# Altium PCB FES_V2.5.PcbDoc (part 1 of 2) (continued)
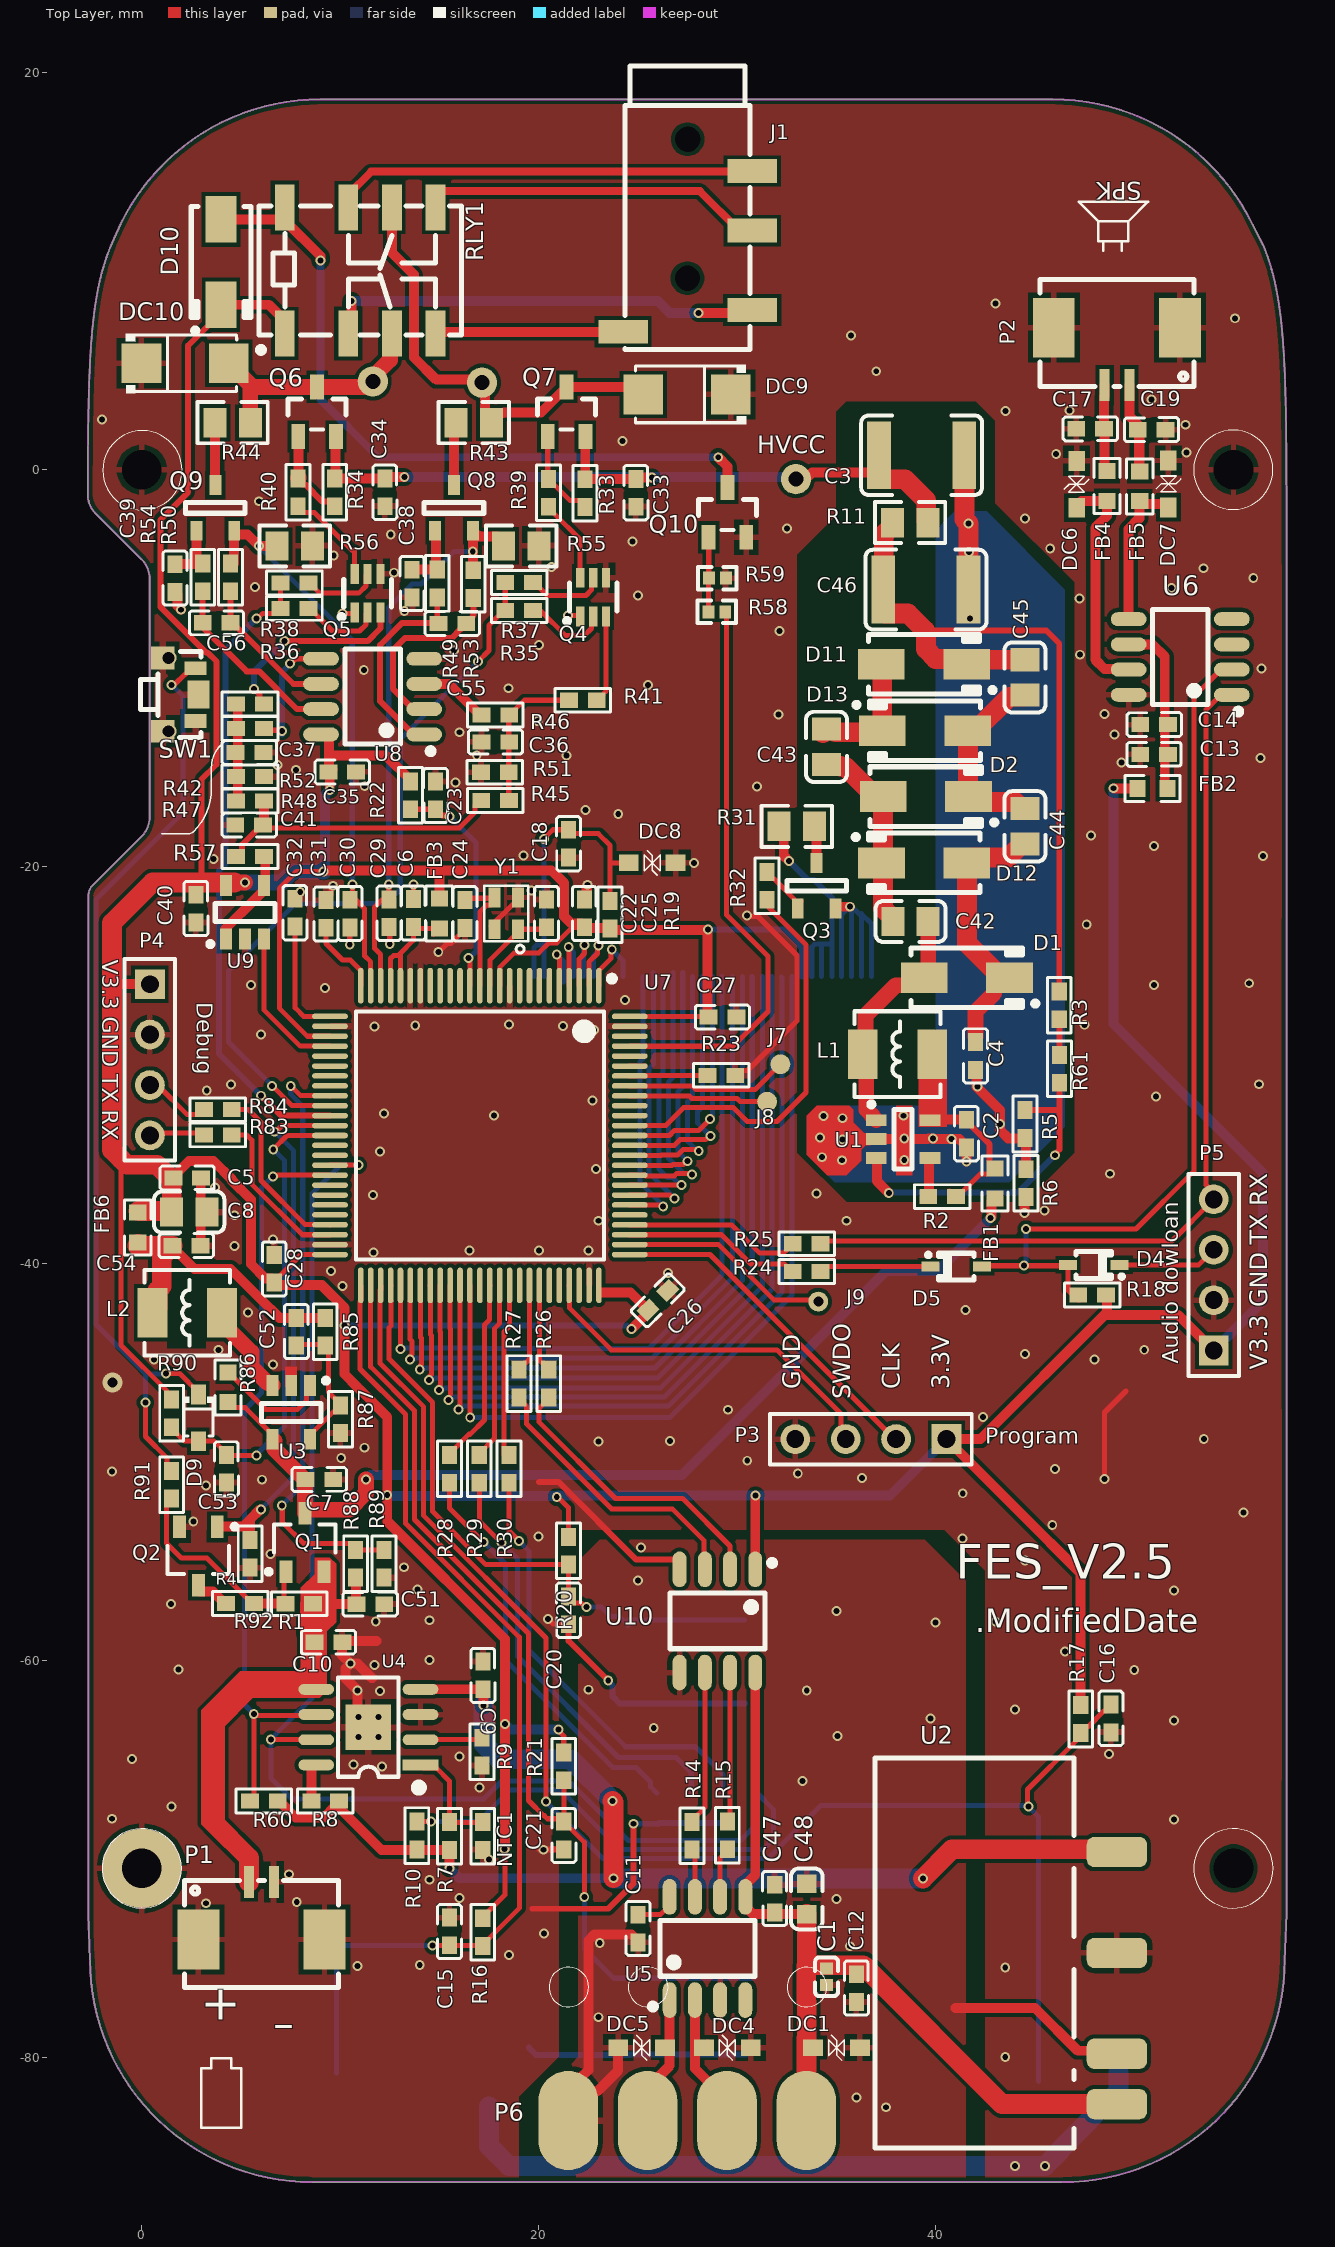
[diagram p0: Top Layer view]
## Footprints (in the part's own frame and the unit in brackets; to place one, negate y for a bottom-side part, rotate by r counter-clockwise, add the part's x,y. Pads: shape width x height; smd on the part's side, far side on the other; paste and mask are expansions set on the pad) (continued)
  rect 55.1x43.3 smd mask+2: 3(0.45,-53.35)
  silkscreen extent -85,-58 85,62, body extent -77,-57 77,63, height 62
L-SMD-0420 [mm] "一体化成型电感"
  rect 1.5x2.5 smd: 1(-1.75,0) 2(1.75,0)
  silkscreen extent -2.16,-2.16 2.16,2.16, body extent -2.25,-2.05 2.25,2.05, height 2.05
LQFP-100_14x14x05P [mm]
  oval 0.28x1.8 smd mask+0.051: 1(-6,-7.55) 2(-5.5,-7.55) 3(-5,-7.55) 4(-4.5,-7.55) 5(-4,-7.55) 6(-3.5,-7.55) 7(-3,-7.55) 8(-2.5,-7.55) 9(-2,-7.55) 10(-1.5,-7.55) 11(-1,-7.55) 12(-0.5,-7.55) 13(0,-7.55) 14(0.5,-7.55) 15(1,-7.55) 16(1.5,-7.55) 17(2,-7.55) 18(2.5,-7.55) 19(3,-7.55) 20(3.5,-7.55) 21(4,-7.55) 22(4.5,-7.55) 23(5,-7.55) 24(5.5,-7.55) 25(6,-7.55) 51(6,7.55) 52(5.5,7.55) 53(5,7.55) 54(4.5,7.55) 55(4,7.55) 56(3.5,7.55) 57(3,7.55) 58(2.5,7.55) 59(2,7.55) 60(1.5,7.55) 61(1,7.55) 62(0.5,7.55) 63(0,7.55) 64(-0.5,7.55) 65(-1,7.55) 66(-1.5,7.55) 67(-2,7.55) 68(-2.5,7.55) 69(-3,7.55) 70(-3.5,7.55) 71(-4,7.55) 72(-4.5,7.55) 73(-5,7.55) 74(-5.5,7.55) 75(-6,7.55)
  oval 1.8x0.28 smd mask+0.051: 26(7.55,-6) 27(7.55,-5.5) 28(7.55,-5) 29(7.55,-4.5) 30(7.55,-4) 31(7.55,-3.5) 32(7.55,-3) 33(7.55,-2.5) 34(7.55,-2) 35(7.55,-1.5) 36(7.55,-1) 37(7.55,-0.5) 38(7.55,0) 39(7.55,0.5) 40(7.55,1) 41(7.55,1.5) 42(7.55,2) 43(7.55,2.5) 44(7.55,3) 45(7.55,3.5) 46(7.55,4) 47(7.55,4.5) 48(7.55,5) 49(7.55,5.5) 50(7.55,6) 76(-7.55,6) 77(-7.55,5.5) 78(-7.55,5) 79(-7.55,4.5) 80(-7.55,4) 81(-7.55,3.5) 82(-7.55,3) 83(-7.55,2.5) 84(-7.55,2) 85(-7.55,1.5) 86(-7.55,1) 87(-7.55,0.5) 88(-7.55,0) 89(-7.55,-0.5) 90(-7.55,-1) 91(-7.55,-1.5) 92(-7.55,-2) 93(-7.55,-2.5) 94(-7.55,-3) 95(-7.55,-3.5) 96(-7.55,-4) 97(-7.55,-4.5) 98(-7.55,-5) 99(-7.55,-5.5) 100(-7.55,-6)
  silkscreen extent -6.8,-8.05 6.25,6.25, body extent -8,-8 8,8, height 1.6
PWRM-TH_BXXXXS_SMD [mil]
  rrect50% 60x120 smd mask+2: 1(-250,-50) 2(-150,-50) 4(50,-50) 6(250,-50)
  silkscreen extent -337,36 437,430, body extent -337,-126 437,435, height 239
R0603 [mm]
  rect 0.806x0.864 smd: 1(0,0) 2(1.506,0)
  silkscreen extent -0.63,-0.66 2.14,0.66
SMA#1 [mm] "DO-214AC"
  rect 2.35x1.55 smd: 1(-2.15,0) 2(2.15,0)
  silkscreen extent -2.8,-1.5 3.58,1.5, body extent -2.6,-1.3 2.6,1.3, height 2.64
SMA#2 [mm]
  rect 2x2 smd: 1(1.736,0.206) 2(-2.664,0.206)
  silkscreen extent -3.44,-1.3 2.14,1.71
SMD_2016 [mm]
  rect 1x0.6 smd: 1(-0.8,-0.6) 2(0.8,-0.6) 3(0.8,0.6) 4(-0.8,0.6)
  silkscreen extent -2,-1.1 1.4,1.1
SOD323 [mm]
  rect 1x0.83 smd: 1(1.18,0) 2(-1.18,0)
  silkscreen extent -0.4,-0.62 0.4,0.62, body extent -1.35,-0.62 1.35,0.63, height 1.1
SOD-323#1 [mm] "SOD-323"
  rect 0.9x0.5 smd: 1(-1.3,0) 2(1.3,0)
  silkscreen extent -0.9,-0.67 1.49,0.67, body extent -1.35,-0.62 1.35,0.63, height 1.1
SOD-323#2 [mm]
  rect 1x0.75 smd: 1(1.173,0) 2(-1.173,0)
  silkscreen extent -1.08,-0.8 0.9,0.8, body extent -1.35,-0.62 1.35,0.63, height 1.1
SOP-8_150mil [mm]
  oval 0.7x1.8 smd: 1(-1.905,-2.6) 2(-0.635,-2.6) 3(0.635,-2.6) 4(1.905,-2.6) 5(1.905,2.6) 6(0.635,2.6) 7(-0.635,2.6) 8(-1.905,2.6)
  silkscreen extent -2.9,-3.07 2.4,1.4, body extent -2.5,-3.1 2.5,3.1, height 1.75
SOT-23 [mm] "SOT-23-3"
  rect 0.6x1 smd: 1(-0.95,-1.15) 2(0.95,-1.15) 3(0,1.15)
  silkscreen extent -1.5,-0.27 1.5,0.27, body extent -1.46,-1.28 1.46,1.27, height 0.99
SOT-23(SOT-23-3) [mm]
  rect 1.25x0.7 smd: 1(1.25,-0.95) 2(1.25,0.95) 3(-1.25,0)
  silkscreen extent -0.65,-1.46 0.9,1.46, body extent -1.5,-1.5 1.5,1.5, height 1.3
SOT-23-3L [mm] "http://www.aosmd.com/res/packaging_information/SOT-23-3L.pdf"
  rect 1.15x0.65 smd: 1(1.475,-0.95) 2(1.475,0.95) 3(-1.475,0)
  silkscreen extent -0.9,-1.95 1.6,1.55, body extent -0.9,-1.55 0.9,1.55, height 1.25
SOT-23-5 [mm] "SOT-23-5"
  rect 0.6x1.05 smd: 1(-0.95,-1.35) 2(0,-1.35) 3(0.95,-1.35) 4(0.95,1.35) 5(-0.95,1.35)
  silkscreen extent -1.88,-1.73 1.5,0.45, body extent -1.5,-1.5 1.5,1.5, height 1.3
SOT-363 [mm]
  rect 1x0.42 smd mask+0.051: 1(0.975,-0.65) 2(0.975,0) 3(0.975,0.65) 4(-0.975,0.65) 5(-0.975,0) 6(-0.975,-0.65)
  silkscreen extent -0.7,-1.43 1.32,1.2, body extent -1.05,-1 1.05,1, height 1.03
TC4056A [mm] "TC4056A"
  rect 0.55x1.8 smd: 1(-1.905,-2.625)
  oval 0.55x1.8 smd: 2(-0.635,-2.625) 3(0.635,-2.625) 4(1.905,-2.625) 5(1.905,2.625) 6(0.635,2.625) 7(-0.635,2.625) 8(-1.905,2.625)
  rect 2.29x2.29 smd: 9(0,0)
  silkscreen extent -3.2,-2.69 2.5,1.52, body extent -2.5,-3 2.5,3, height 1.9
TP100MH#1 [mm]
  round 1 smd paste-0.5: 1(-0.011,0.011)
TP100MH#2 [mm]
  round 1 hole 0.5 paste-0.5: 1(-0.011,0.011)

## Part data
C1 C48: library part C0603, approval_status=A, Cost=0.03, Date=12302002, Dsc1="CAP ML", Dsc2=10uF, Dsc3=K, Dsc4=16V, Dsc5=X5R, Dsc6=SMT0805,THICKNESS=1.25mm, Dsc7=EMK212BJ106KG-T, Dsc8=TAIYO, DSCX="CAP ML 10 uF K 16V X5R SMT0805,THICKNESS=1.25mm EMK212BJ106KG-T TAIYO", FFNQ="CAP ML 10 uF K 16V X5R SMT0805", ID=16409, Part_Number=99G12-000795, Part_Type="SMD CAP", PCB DECAL=C0603, Qualify=YES, QUAN=3078, Source_Path=D:\VSYMB\CAP.OLB
C2 C9 C10 C12: library part "0603 10uF (106) 10% 10V", "贴片电容", Package=0603, SuppliersPartNumber=C19702, ComponentLink1Description=供应商链接, ComponentLink1URL=http://www.szlcsc.com/product/details_20411.html, Supplier=LC
C3: library part Cap, "Capacitor 1uF/250V  FS43X105K251EGG", LatestRevisionDate=17-Jul-2002, LatestRevisionNote="Re-released for DXP Platform.", PackageDescription="Radial Cap, Thru-Hole; 2 Leads; 0.3 in Pin Spacing", PackageReference=RAD-0.3, Published=8-Jun-2000, Publisher="Altium Limited"
C4 C14: library part Cap, "Capacitor 100nF/50V", LatestRevisionDate=17-Jul-2002, LatestRevisionNote="Re-released for DXP Platform.", PackageDescription="Radial Cap, Thru-Hole; 2 Leads; 0.3 in Pin Spacing", PackageReference=RAD-0.3, Published=8-Jun-2000, Publisher="Altium Limited"
C5 C11 C51: library part 100nF, BOM_LCSC Assembly=Yes, BOM_Manufacturer=SAMSUNG, BOM_Manufacturer Part=CL05B104KO5NNNC, BOM_Supplier=LCSC, BOM_Supplier Part=C1525, nameAlias=Capacitance, SMT Type=Basic, spicePre=C, spiceSymbolName=CL05B104KO5NNNC
C6 C54: library part 1uF, BOM_LCSC Assembly=Yes, BOM_Manufacturer=SAMSUNG, BOM_Manufacturer Part=CL05A105KA5NQNC, BOM_Supplier=LCSC, BOM_Supplier Part=C52923, nameAlias=Capacitance, SMT Type=Basic, spicePre=C, spiceSymbolName=CL05A105KA5NQNC
C7 C8: library part "0603 2.2uF (225) 10% 16V", "贴片电容", Package=0603, SuppliersPartNumber=C23630, ComponentLink1Description=供应商链接, ComponentLink1URL=http://www.szlcsc.com/product/details_24366.html, Supplier=LC
C13: library part Cap, "Capacitor", LatestRevisionDate=17-Jul-2002, LatestRevisionNote="Re-released for DXP Platform.", PackageDescription="Radial Cap, Thru-Hole; 2 Leads; 0.3 in Pin Spacing", PackageReference=RAD-0.3, Published=8-Jun-2000, Publisher="Altium Limited"
C15 C16 C20 C21 C23 C25 C26 C27 C28 C29 C30 C31 C32 C35 C40 C47 C53: library part "0402 100nF (104) 10% 16V", "贴片电容100nF 10% 50V", Package=0402, SuppliersPartNumber=C1525, ComponentLink1Description=供应商链接, ComponentLink1URL=http://www.szlcsc.com/product/details_1877.html, Supplier=LC
C17 C19 C36 C37 C38 C39 C55 C56: library part "0402 10nF (103) 10% 50V", "贴片电容", Package=0402, SuppliersPartNumber=C15195, ComponentLink1Description=供应商链接, ComponentLink1URL=http://www.szlcsc.com/product/details_15869.html, Supplier=LC
C18: library part CAP103, PCB DECAL=C0603AA
C22 C24: library part "0402 6.8pF (6R8) 0.25pF 50V", "贴片电容", Package=0402, SuppliersPartNumber=C1576, ComponentLink1Description=供应商链接, ComponentLink1URL=http://www.szlcsc.com/product/details_1928.html, Supplier=LC
C33 C34: library part "0402 1nF (102) 10% 50V", "贴片电容", Package=0402, SuppliersPartNumber=C1523, ComponentLink1Description=供应商链接, ComponentLink1URL=http://www.szlcsc.com/product/details_1875.html, Supplier=LC
C41: library part "0603 10uF (106) 10% 10V", "贴片电容10uF/10V", Package=0603, SuppliersPartNumber=C19702, ComponentLink1Description=供应商链接, ComponentLink1URL=http://www.szlcsc.com/product/details_20411.html, Supplier=LC
C42 C43 C44 C45: library part Cap, "100nF 精度：±20% 额定电压：250V", LatestRevisionDate=17-Jul-2002, LatestRevisionNote="Re-released for DXP Platform.", PackageDescription="Radial Cap, Thru-Hole; 2 Leads; 0.3 in Pin Spacing", PackageReference=RAD-0.3, Published=8-Jun-2000, Publisher="Altium Limited"
C46: library part Cap, "Capacitor 1uF/250V FS43X105K251EGG", LatestRevisionDate=17-Jul-2002, LatestRevisionNote="Re-released for DXP Platform.", PackageDescription="Radial Cap, Thru-Hole; 2 Leads; 0.3 in Pin Spacing", PackageReference=RAD-0.3, Published=8-Jun-2000, Publisher="Altium Limited"
C52: library part C, approval_status=A, Cost=0.03, Date=12302002, Dsc1="CAP ML", Dsc2=10pF, Dsc3=K, Dsc4=16V, Dsc5=X5R, Dsc6=SMT0805,THICKNESS=1.25mm, Dsc7=EMK212BJ106KG-T, Dsc8=TAIYO, DSCX="CAP ML 10 uF K 16V X5R SMT0805,THICKNESS=1.25mm EMK212BJ106KG-T TAIYO", FFNQ="CAP ML 10 uF K 16V X5R SMT0805", ID=16409, Part_Number=99G12-000795, Part_Type="SMD CAP", PCB DECAL=CAP0805, Qualify=YES, QUAN=3078, Source_Path=D:\VSYMB\CAP.OLB
D1 D10: library part DIODE_2, "Schottky Barrier， DO214AA", Manufacturer=星海, Manufacturer_PN=DO214AA, Created_by=JJJ, Part_Type="Schottky rectifier", PCB DECAL=DO-214AC, Priority=3A, RK_PN=SS34, Source_Path="E:\2017\VIDEO MEETING\RK3399_VR&TABLET_V13_20170614\RK3399_VR&TABLET_V13_20170614-162.DSN"
D2 D11 D12 D13: library part DIODE_2, "SS2150 150V SMA(DO-214AC)", Manufacturer=星海, Manufacturer_PN=DO214AA, Created_by=JJJ, Part_Type="Schottky rectifier", PCB DECAL=DO-214AC, Priority=3A, RK_PN=SS34, Source_Path="E:\2017\VIDEO MEETING\RK3399_VR&TABLET_V13_20170614\RK3399_VR&TABLET_V13_20170614-162.DSN"
D3: library part "0603 白灯", "EVERLIGHT(亿光) GT-197   0603", Package=0603, SuppliersPartNumber=C2290, ComponentLink1Description=供应商链接, ComponentLink1URL=http://www.szlcsc.com/product/details_2663.html, Supplier=LC
D4 D5 D9: library part Diode, "CJ(江苏长电/长晶)", Code_JEDEC=DO-214-AB, LatestRevisionDate=17-Jul-2002, LatestRevisionNote="Re-released for DXP Platform.", PackageDescription="DO-214-AB/SMC; 2 C-Bend Leads; Body 7.9 x 5.9 mm, inc. leads (LxW)", PackageReference=SMC, PackageVersion=Sep-1996, Published=8-Jun-2000, Publisher="Altium Limited"
D6: library part "0603 绿灯", "发光二极管 EVERLIGHT(亿光) 0603 翠绿", Package=0603, SuppliersPartNumber=C72043, ComponentLink1Description=供应商链接, ComponentLink1URL=http://www.szlcsc.com/product/details_73152.html, Supplier=LC
D7: library part "0603 黄灯", "发光二极管  0603 黄灯", Package=0603, SuppliersPartNumber=C72038, ComponentLink1Description=供应商链接, ComponentLink1URL=http://www.szlcsc.com/product/details_73147.html, Supplier=LC
D8: library part "0603 蓝灯", "发光二极管 EVERLIGHT(亿光) 0603 蓝灯", Package=0603, SuppliersPartNumber=C72041, ComponentLink1Description=供应商链接, ComponentLink1URL=http://www.szlcsc.com/product/details_73150.html, Supplier=LC
DC1 DC4 DC5 DC6 DC7 DC8: library part ESD5451X_Dup1, ID=DE-E0004, Parameter=ESD0402
DC9 DC10: library part ESD5451X_Dup1, "SMAJ100CA  SMA(DO-214AC)", ID=DE-E0004, Parameter=ESD0402
FB1 FB2 FB3 FB4 FB5 FB6: library part ZXC, "磁珠/600Ω@100MHz ±25% BLM18AG601SN1D 0603", PCB DECAL=R0603
J1: JLCPCB Part Class="Extended Part", Add into BOM=yes, Convert to PCB=yes, Device="PJ-320D 贴片4脚", LCSC Part Name="PJ-320D 贴片4脚", Manufacturer Part="PJ-320D 贴片4脚", Name="PJ-320D 贴片4脚", Supplier=LCSC, Supplier Footprint=SMD, Supplier Part=C9900000798, Symbol="PJ-320D 贴片4脚"
J5: library part FPC_40_LVDS, ROOM=MIPI
KEY1 KEY2 KEY3 KEY4: library part button6*6*8.5, BOM_Manufacturer=ReliaPro, BOM_Manufacturer Part=button6*6*8.5, BOM_Supplier=LCSC, BOM_Supplier Part=C59980, image=http://image.lceda.cn/szlcsc/C59980.jpg, spicePre=K, spiceSymbolName=button6*6*8.5
L1: library part Inductor, "Sunlord MWSA0402S-100MT 10uH/2.2A", Code_IEC=1005, Code_JEITA=0402, LatestRevisionDate=29-May-2009, LatestRevisionNote="IPC-7351 Footprint Added.", PackageDescription="Chip Inductor", PackageReference=0402-A, Published=8-Jun-2000, Publisher="Altium Limited"
L2: library part L, "Power Inductor,10uH,0.2,IND_303015", DC_Resistor=0.08ohm, Manufacturer=sunlord, Manufacturer_PN=SWPA3015S3R3MT, Resonace_frequency=68M, Tolerance=20%, Created_by=YTL, Irms=2A, Isat=2A, Part_Type=POWER_IND, PCB DECAL=SMD_4.45X4.2, Priority=A, RK_PN=SWPA3015S3R3MT, Source_Path=Z:\RK_STANDARD_LIBRARY\CADENCE_CIS\RK_DISCRETE.OLB
NTC1 R9: library part "0603 1.8KΩ (1801) 1%", "贴片电阻", Package=0603, SuppliersPartNumber=C4177, ComponentLink1Description=供应商链接, ComponentLink1URL=http://www.szlcsc.com/product/details_4584.html, Supplier=LC
P1: JLCPCB Part Class="Extended Part", LCSC Part Name="AWR 1.25卧贴针座 1.25mm间距2Pin卧式贴片", Manufacturer=hanxia(韩下), Add into BOM=yes, Convert to PCB=yes, Datasheet=https://atta.szlcsc.com/upload/public/pdf/source/20220818/902167240A14414EBE70E0F5623727B7.pdf, Device="HX 1.25-2P WT", Manufacturer Part="HX 1.25-2P WT", Name="HX 1.25-2P WT", Supplier=LCSC, Supplier Footprint=SMD,P=1.25mm, Supplier Part=C5142069, Symbol="HX 1.25-2P WT"
P2: library part DIP-2.0-2P, "SHOU HAN(首韩) 间距：1.25mm 插针结构：1x2P 排数：1 每排PIN数：2 间距：1.25mm", LatestRevisionDate=17-Jul-2002, LatestRevisionNote="Re-released for DXP Platform.", PCB DECAL=DIP-2.54-2P, Publisher="Altium Limited"
P3 P4 P5: "Header, 4-Pin", LatestRevisionDate=17-Jul-2002, LatestRevisionNote="Re-released for DXP Platform.", Publisher="Altium Limited"
P6: library part "Header 4", "Header, 4-Pin", LatestRevisionDate=17-Jul-2002, LatestRevisionNote="Re-released for DXP Platform.", Publisher="Altium Limited"
Q1: library part "AO3401A P道沟 X13A15 SOT-23", "MOS(场效应管)", Package=SOT-23, SuppliersPartNumber=C15127, ComponentLink1Description=供应商链接, ComponentLink1URL=http://www.szlcsc.com/product/details_15801.html, Supplier=LC
Q2: library part "AO3400A N道沟 X0YV1T SOT-23", "MOS(场效应管)", Package=SOT-23, SuppliersPartNumber=C20917, ComponentLink1Description=供应商链接, ComponentLink1URL=http://www.szlcsc.com/product/details_21629.html, Supplier=LC
Q3 Q10: library part "SOT-23 SS8050 Y1", "三极管", Package=SOT-23, SuppliersPartNumber=C2150, ComponentLink1Description=供应商链接, ComponentLink1URL=http://www.szlcsc.com/product/details_2507.html, Supplier=LC
Q4 Q5: "TECH PUBLIC(台舟) SOT-363", JLCPCB Part Class="Extended Part", Manufacturer="TECH PUBLIC(台舟)", Add into BOM=yes, Convert to PCB=yes, Datasheet=https://atta.szlcsc.com/upload/public/pdf/source/20211101/07C0903C0479EB6482C1AC89CB53F267.pdf, Device=2N7002KDW, LCSC Part Name=2N7002KDW, Manufacturer Part=2N7002KDW, Name=2N7002KDW, Supplier=LCSC, Supplier Footprint=SOT-363, Supplier Part=C2912545, Symbol=2N7002KDW_C2912545
Q6 Q7: library part "SOT-23 SS8550 Y2", "三极管", Package=SOT-23, SuppliersPartNumber=C8542, ComponentLink1Description=供应商链接, ComponentLink1URL=http://www.szlcsc.com/product/details_9037.html, Supplier=LC
Q8 Q9: library part NPN, "CJ(江苏长电/长晶)"
R1 R2 R8 R16 R17 R18 R20 R21 R22 R23 R88 R89 R90 R91 R92: library part "0402 10KΩ (1002) 1%", "贴片电阻", Package=0402, SuppliersPartNumber=C25744, ComponentLink1Description=供应商链接, ComponentLink1URL=http://www.szlcsc.com/product/details_26487.html, Supplier=LC
R3 R61: library part RES2, "Resistor", LatestRevisionDate=17-Jul-2002, LatestRevisionNote="Re-released for DXP Platform.", PackageReference=AXIAL-0.4, PCB DECAL=0603_R, Published=8-Jun-2000, Publisher="Altium Limited"
R4 R33 R34 R39 R40 R45 R48 R51 R52 R57: library part "0402 1KΩ (1001) 1%", "贴片电阻", Package=0402, SuppliersPartNumber=C11702, ComponentLink1Description=供应商链接, ComponentLink1URL=http://www.szlcsc.com/product/details_12256.html, Supplier=LC
R5: library part "0603 5.1KΩ (5101) 1%", "贴片电阻", Package=0603, SuppliersPartNumber=C23186, ComponentLink1Description=供应商链接, ComponentLink1URL=http://www.szlcsc.com/product/details_23913.html, Supplier=LC
R6 R11: library part "0603 0Ω (0R0) 1%", "贴片电阻", Package=0603, SuppliersPartNumber=C21189, ComponentLink1Description=供应商链接, ComponentLink1URL=http://www.szlcsc.com/product/details_21903.html, Supplier=LC
R7 R10 R58 R59 R60: library part "0402 1.5KΩ (1501) 1%", "贴片电阻", Package=0402, SuppliersPartNumber=C25867, ComponentLink1Description=供应商链接, ComponentLink1URL=http://www.szlcsc.com/product/details_26610.html, Supplier=LC
R14 R15 R24 R25 R26 R27 R41 R42 R43 R44 R55 R56 R83 R84: library part "0603 100Ω (1000) 1%", "贴片电阻", Package=0603, SuppliersPartNumber=C22775, ComponentLink1Description=供应商链接, ComponentLink1URL=http://www.szlcsc.com/product/details_23502.html, Supplier=LC
R19 R31: library part "0603 10Ω (10R0) 1%", "贴片电阻", Package=0603, SuppliersPartNumber=C22859, ComponentLink1Description=供应商链接, ComponentLink1URL=http://www.szlcsc.com/product/details_23586.html, Supplier=LC
R28 R29 R30: library part "0603 1.5KΩ (1501) 1%", "贴片电阻", Package=0603, SuppliersPartNumber=C22843, ComponentLink1Description=供应商链接, ComponentLink1URL=http://www.szlcsc.com/product/details_23570.html, Supplier=LC
R32: library part "0603 1KΩ (1001) 1%", "贴片电阻", Package=0603, SuppliersPartNumber=C21190, ComponentLink1Description=供应商链接, ComponentLink1URL=http://www.szlcsc.com/product/details_21904.html, Supplier=LC
R35 R36 R37 R38 R46 R47 R49 R50 R53 R54: library part "0402 680Ω (6800) 1%", "贴片电阻", Package=0402, SuppliersPartNumber=C25130, ComponentLink1Description=供应商链接, ComponentLink1URL=http://www.szlcsc.com/product/details_25873.html, Supplier=LC
R85 R87: library part R, PCB DECAL=0603R
R86: library part RES1, Assembly=R0603, PCB DECAL=R0603, Source_Path=C:\WINORCAD\CAPTURE\LIBRARY\DISCRETE.OLB
RLY1: library part RELAY(HF)
SW1: "KEY-SMD_SKTDLHE010", JLCPCB Part Class="Extended Part", Manufacturer=ALPSALPINE(阿尔卑斯阿尔派), Actuator Style=矩形按钮, Add into BOM=yes, Circuit=单刀单掷, Convert to PCB=yes, Datasheet=https://atta.szlcsc.com/upload/public/pdf/source/20200409/C380198_178C729B1AFCBF15D3CDD9052567B65D.pdf, Device=SKTDLHE010, LCSC Part Name=SKTDLHE010, Manufacturer Part=SKTDLHE010, Mounting Style=卧贴, Name=SKTDLHE010, Supplier=LCSC, Supplier Footprint=SMD, Supplier Part=C380198, Symbol=SKTDLHE010, With Lamp=-
U1: Manufacturer=Silergy（矽力杰）, Created_by=JJJ, Manufacturer_PN=LMR64010XMFE/NOPB, Option=/CE8513B-1A/PT3406/PT3409A/B, Part_Type=DCDC, PCB DECAL=SOT23-5B, Priority=A, RK_PN=LMR64010XMFE/NOPB, Source_Path=Z:\RK_STANDARD_LIBRARY\CADENCE_CIS\RK_IC.OLB
U2: library part B0505S-2WR2_C41613, "转换类型:DC-DC;输出路数:1;输入电压(DC):4.5V~5.5V;输出电压:5V;输出电流(最大值):400mA;输出功率:2W;转换效率:89%;", Input Voltage(DC)=4.5V~5.5V, JLCPCB Part Class=扩展库, LCSC Part Name="Vin=4.5V~5.5V Vout=5V 400mA", Manufacturer=MORNSUN(金升阳), Manufacturer Part=B0505S-2WR2, Output Current (Max)=400mA, Output Power=2W, Output Voltage=5V, Add into BOM=yes, Conversion Efficiency=89%, Conversion Type=DC-DC, Convert to PCB=yes, Datasheet=https://atta.szlcsc.com/upload/public/pdf/source/20150124/1457707262078.pdf, Device=B0505S-2WR2_C41613, Function=-, Name=B0505S-2WR2, Output Channel=1, Supplier=LCSC, Supplier Footprint=插件, Supplier Part=C41613, Symbol=B0505S-2WR2
U3: library part DCDC_SY8088, Manufacturer=Silergy（矽力杰）, Created_by=JJJ, Manufacturer_PN=SY8089AAC, Option=/CE8513B-1A/PT3406/PT3409A/B, Part_Type=DCDC, PCB DECAL=SOT23-5B, Priority=A, RK_PN=SY8089AAC, Source_Path=Z:\RK_STANDARD_LIBRARY\CADENCE_CIS\RK_IC.OLB
U4: library part CT4056A, "开关电源 SOP-8E封装", Part Number=03-, Geometry.Height=1.27000mm, PCB DECAL=ESOP_8
U6: library part WTVXXX8S, "WTV3808S  380", Manufacturer_Part_Number=OPA335AIDBVR, Mfr_Name="Texas Instruments", Copyright="Copyright (C) 2022 Ultra Librarian. All rights reserved."
U7: library part STM32F407VETx, "STM32F407VETx"
U9: library part OPA335AIDBVR_1, "GS8551-TR  GS8551 SOT-23-5", Manufacturer_Part_Number=OPA335AIDBVR, Mfr_Name="Texas Instruments", Copyright="Copyright (C) 2022 Ultra Librarian. All rights reserved."
U10: JLCPCB Part Class="Extended Part", Manufacturer=ADI(亚德诺)/LINEAR(凌特), Voltage Isolation or Not=No, Add into BOM=yes, Applications="Magnetic Coupling", Convert to PCB=yes, Datasheet=https://atta.szlcsc.com/upload/public/pdf/source/20171116/C107672_15108220974131123665.pdf, Device=ADUM1201CRZ-RL7, Isolation Technology="General Purpose", LCSC Part Name=ADUM1201CRZ-RL7, Manufacturer Part=ADUM1201CRZ-RL7, Name=ADUM1201CRZ-RL7, Supplier=LCSC, Supplier Footprint=SOIC-8-150mil, Supplier Part=C107672, Symbol=ADUM1201CRZ-RL7
Y1: library part CRYSTAL_4P, "YXC(扬兴晶振) X201616MLB4SI  16MHz 频率公差：±10ppm", Manufacturer=Hosonic(鸿星电子), Manufacturer_PN=E3SB25.0000F10E11, Created_by=JJJ, Part_Type=X322525MSB4SI, PCB DECAL=SMD2016, Priority=A, RK_PN=E3SB25.0000F10E11, Source_Path=Z:\RK_STANDARD_LIBRARY\CADENCE_CIS\RK_DISCRETE.OLB
U5: PCB DECAL=SOP8

## Free pads (board coordinates)
  round 4 hole 2: 1(0,-70.464)
  round 0 hole 2: 1(0,0) 1(55,-70.464) 1(55,0)
  round 1.524 hole 0.762: 4(17.138,4.389) 4(32.954,-0.473) 7(11.639,4.45)

## Via types
v1: diameter 0.5, hole 0.3, Top Layer to Bottom Layer, tented both sides, 293 vias
v2: diameter 0.5, hole 0.3, Top Layer to Bottom Layer, 15 vias
v3: diameter 0.61, hole 0.305, Top Layer to Bottom Layer, 4 vias
v4: diameter 1, hole 0.5, Top Layer to Bottom Layer, 1 vias

## Nets (pads, with @x,y where several pads share a name; then routed paths per layer and width w, separated by ;. In a path a pad name is that pad's centre, name@x,y a point inside that pad or via, vN(x,y) a via of type N, cw(c..) or ccw(c..) an arc to the next point about the centre after c; other vN are vias at no path point)
BOOT0: R23.2 U7.94 | length 3.9
  Top Layer w0.254: U7.94@24.582,-30.542 25.349,-30.542 25.379,-30.512 25.537,-30.512 25.539,-30.51 R23.2@28.498,-30.51
CHA1: DC9.1 pad.4@17.138,4.389 Q7.3 R43.2 RLY1.6 | length 22.9
  Top Layer w0.5: RLY1.6@12.603,13.211 12.603,10.936 13.711,9.828 13.711,5.662 14.837,4.536 16.502,4.536 17.283,3.755 17.283,2.701 R43.2@17.613,2.371 17.613,2.526 17.943,2.856 18.202,2.856 18.236,2.89 20.118,2.89 Q7.3@21.401,4.173 24.885,4.173 DC9.1@25.264,3.794 ; pad.4@17.138,4 pad.4@17.138,4.389
CHA1_OUT: J1.2@30.751,15.05 RLY1.7 | length 21.5
  Top Layer w0.4: RLY1.7@10.403,13.211 10.403,13.861 11.557,15.016 30.716,15.016 J1.2@30.751,15.05
CHA2: DC10.1 pad.7 Q6.3 R44.2 RLY1.3 | length 14.1
  Top Layer w0.8: DC10.1@4.379,5.362 5.464,4.277 5.464,2.526 R44.2@5.464,2.371 5.464,3.998 5.64,4.173 11.14,4.173 12.504,5.538 12.504,6.761 RLY1.3@12.604,6.861
CHA2_OUT: J1.4 RLY1.2 | length 22.2
  Top Layer w0.5: RLY1.2@10.403,6.861 10.566,7.025 v1(10.566,8.496) ; v1(28.054,7.907) 30.608,7.907 J1.4@30.751,8.05
  Bottom Layer w0.5: v1(10.566,8.496) 26.004,8.496 26.593,7.907 v1(28.054,7.907)
CHB1_OUT: J1.3 RLY1.5 | length 17.4
  Top Layer w0.4: RLY1.5@14.803,13.211 14.803,13.736 15.103,14.036 28.114,14.036 30.101,12.05 J1.3@30.751,12.05
CHB2_OUT: J1.5 RLY1.4 | length 10.1
  Top Layer w0.5: RLY1.4@14.803,7.511 RLY1.4@14.803,6.861 14.891,6.95 J1.5@24.249,6.95
CS: J5.9 U7.5 | length 3.1
  Top Layer w0.254: v1(20.904,-24.424) 20.904,-24.455 21.032,-24.583 U7.5@21.032,-25.992
  Bottom Layer w0.254: v1(20.904,-24.424) 20.91,-24.424 21.233,-24.748 J5.9@21.233,-25.798
DAC1S: C41.2 R45.1 R48.1 R57.1 | length 15.2
  Top Layer w0.254: C41.2@6.225,-17.972 6.3,-18.047 15.994,-18.047 16.779,-17.263 16.779,-16.913 17.033,-16.659 R45.1@17.102,-16.659
  Top Layer w0.3: R57.1@4.751,-19.478 4.82,-19.478 5.051,-19.247 5.051,-18.889 6.041,-17.898 C41.2@6.11,-17.898
  Top Layer w0.5: R48.1@6.151,-16.688 6.155,-16.692 6.155,-17.894 6.151,-17.898 C41.2@6.225,-17.972
DB0: J5.17 U7.81 | length 13.9
  Top Layer w0.254: U7.81@24.582,-37.042 26.122,-37.042 26.202,-37.122 v1(26.269,-37.122)
  Bottom Layer w0.254: J5.17@25.253,-25.535 25.253,-29.663 25.088,-29.827 25.088,-35.9 26.269,-37.08 v1(26.269,-37.122)
DB1: J5.18 U7.82 | length 14.3
  Top Layer w0.254: U7.82@24.582,-36.542 26.604,-36.542 26.771,-36.709 v1(26.838,-36.709)
  Bottom Layer w0.254: J5.18@25.753,-25.338 25.773,-25.358 25.773,-29.968 25.546,-30.195 25.546,-35.417 v1(26.838,-36.709)
DB2: J5.19 U7.83 | length 13.9
  Top Layer w0.254: U7.83@24.582,-36.042 24.587,-36.037 27.18,-36.037 v1(27.187,-36.03)
  Bottom Layer w0.254: J5.19@26.253,-25.535 26.253,-30.381 26.047,-30.587 26.047,-35.233 26.48,-35.666 26.757,-35.666 27.121,-36.03 v1(27.187,-36.03)
DB3: J5.20 U7.84 | length 14.2
  Top Layer w0.254: U7.84@24.582,-35.542 25.349,-35.542 25.379,-35.572 26.825,-35.572 26.947,-35.45 27.604,-35.45 27.66,-35.505 v1(27.726,-35.505)
  Bottom Layer w0.254: J5.20@26.753,-25.338 J5.20@26.753,-25.535 26.753,-30.631 26.546,-30.838 26.546,-34.701 27.303,-35.458 27.679,-35.458 v1(27.726,-35.505)
DB4: J5.21 U7.85 | length 12.8
  Top Layer w0.254: U7.85@24.582,-35.042 26.708,-35.042 26.758,-34.992 27.282,-34.992 27.436,-34.838 v1(27.503,-34.838)
  Bottom Layer w0.254: J5.21@27.253,-25.338 J5.21@27.253,-25.535 27.253,-31.088 27.003,-31.338 27.003,-34.338 v1(27.503,-34.838)
DB5: J5.22 U7.86 | length 12.8
  Top Layer w0.254: U7.86@24.582,-34.542 26.166,-34.542 26.173,-34.535 26.985,-34.535 27.263,-34.258 27.85,-34.258 27.874,-34.282 28.013,-34.282 v1(28.06,-34.329)
  Bottom Layer w0.254: J5.22@27.753,-25.535 27.753,-31.588 27.503,-31.838 27.503,-33.838 27.994,-34.329 v1(28.06,-34.329)
DB6: J5.23 U7.87 | length 12.7
  Top Layer w0.254: U7.87@24.582,-34.042 26.832,-34.042 27.125,-33.748 28.409,-33.748 28.588,-33.57 v1(28.655,-33.57)
  Bottom Layer w0.254: J5.23@28.253,-25.535 28.253,-32.088 28.003,-32.338 28.003,-32.918 v1(28.655,-33.57)
DB7: J5.24 U7.88 | length 11.6
  Top Layer w0.254: U7.88@24.582,-33.542 26.58,-33.542 26.831,-33.291 28.057,-33.291 v1(28.633,-32.715)
  Bottom Layer w0.254: v1(28.633,-32.715) 28.633,-32.649 28.753,-32.529 J5.24@28.753,-25.535
DB8: J5.25 U7.55 | length 36
  Top Layer w0.254: U7.55@13.032,-41.092 13.035,-41.095 13.035,-44.286 v1(13.038,-44.29)
  Bottom Layer w0.254: v1(13.038,-44.29) 13.066,-44.263 13.257,-44.263 13.263,-44.258 17.356,-44.258 17.369,-44.271 25.543,-44.271 29.235,-40.58 J5.25@29.235,-25.535
DB9: J5.26 U7.56 | length 37
  Top Layer w0.254: v1(13.503,-44.838) 13.55,-44.791 13.55,-44.619 13.619,-44.55 13.619,-43.914 13.502,-43.797 13.502,-41.889 13.532,-41.859 U7.56@13.532,-41.092
  Bottom Layer w0.254: v1(13.503,-44.838) 13.55,-44.791 13.729,-44.791 13.763,-44.758 25.704,-44.758 29.751,-40.71 J5.26@29.751,-25.535
DB10: J5.27 U7.57 | length 37.7
  Top Layer w0.254: v1(14.003,-45.338) 14.05,-45.291 14.05,-45.111 14.083,-45.078 14.083,-43.757 14.032,-43.705 U7.57@14.032,-41.092
  Bottom Layer w0.254: v1(14.003,-45.338) 14.05,-45.291 14.229,-45.291 14.263,-45.258 25.85,-45.258 30.253,-40.855 J5.27@30.253,-25.535
DB11: J5.28 U7.58 | length 38.6
  Top Layer w0.254: v1(14.473,-45.861) 14.52,-45.814 14.52,-45.641 14.586,-45.576 14.586,-43.613 14.533,-43.56 14.533,-41.093 U7.58@14.532,-41.092
  Bottom Layer w0.254: v1(14.473,-45.861) 14.52,-45.814 14.706,-45.814 14.763,-45.758 25.997,-45.758 30.755,-40.999 J5.28@30.755,-25.537
DB12: J5.29 U7.59 | length 39.4
  Top Layer w0.254: v1(14.971,-46.357) 15.018,-46.31 15.018,-46.136 15.053,-46.101 15.053,-43.433 15.032,-43.412 U7.59@15.032,-41.092
  Bottom Layer w0.254: v1(14.971,-46.357) 15.018,-46.31 15.21,-46.31 15.263,-46.258 26.143,-46.258 31.262,-41.139 J5.29@31.262,-25.535
DB13: J5.30 U7.60 | length 39.9
  Top Layer w0.254: U7.60@15.532,-41.092 15.532,-43.266 15.551,-43.285 15.551,-46.598
  Bottom Layer w0.254: v1(15.456,-46.866) 15.523,-46.866 15.669,-46.72 26.327,-46.72 31.753,-41.295 31.753,-25.541 J5.30@31.759,-25.535
DB14: J5.31 U7.61 | length 40.9
  Top Layer w0.254: v1(15.965,-47.352) 15.965,-47.285 16.036,-47.214 16.036,-46.626 16.025,-46.615 16.025,-41.877 16.027,-41.875 16.027,-41.1 U7.61@16.025,-41.098
  Bottom Layer w0.254: v1(15.965,-47.352) 16.032,-47.352 16.206,-47.177 26.517,-47.177 32.253,-41.441 32.253,-25.588 J5.31@32.233,-25.568
DB15: J5.32 U7.62 | length 41.5
  Top Layer w0.254: U7.62@16.532,-41.092 16.532,-47 16.546,-47.013 v1(16.546,-47.758)
  Bottom Layer w0.254: v1(16.546,-47.758) 26.583,-47.758 32.766,-41.574 J5.32@32.766,-25.535
DC_IN: C9.2 R7.2 R8.1 R10.2 R60.2 U2.6 U4.4 | length 64
  Top Layer w0.254: C9.2@17.179,-61.444 C9.2@17.184,-61.438
  Top Layer w0.5: R60.2@6.848,-67.069 6.979,-67.2 7.048,-67.2 7.749,-67.901 9.18,-67.901 R8.1@9.742,-67.339 ; R8.1@9.942,-67.067 9.942,-67.406 12.074,-69.538 R7.2@15.503,-69.538 15.5,-69.541 v1(15.5,-70.464) ; U4.4@14.039,-61.444 14.042,-61.441 17.176,-61.441 C9.2@17.179,-61.444 ; C9.2@17.184,-61.438 17.22,-61.473 v1(17.22,-62.258)
  Top Layer w1: v1(23.722,-67.072) 23.771,-67.121 v1(23.771,-70.962) ; v1(39.357,-70.968) 40.825,-69.5 U2.6@50,-69.5
  Bottom Layer w0.5: v1(15.5,-70.464) 15.998,-70.962 v1(23.771,-70.962)
  Bottom Layer w1: v1(17.22,-62.258) 17.22,-64.184 18,-64.964 21.614,-64.964 v1(23.722,-67.072) ; v1@23.776,-70.968 v1(39.357,-70.968)
DM1: DC4.2 P6.2 U5.2 | length 7.1
  Top Layer w0.5: U5.2@27.903,-77.138 U5.2@27.865,-77.1 27.865,-80.553 29.483,-82.171 P6.2@29.483,-83.171 ; DC4.2@28.235,-79.5 DC4.2@28.32,-79.5 28.343,-79.5 DC4.2@28.508,-79.335
DP1: DC5.2 P6.3 U5.1 | length 6.5
  Top Layer w0.5: P6.3@25.483,-83.171 25.483,-81.517 26.595,-80.405 U5.1@26.595,-77.1
EN2: R86.1 U3.1 | length 5.7
  Top Layer w0.254: R86.1@4.337,-45.474 4.366,-45.474 6.23,-47.338 7.854,-47.338 8.306,-46.886 8.306,-46.318 U3.1@8.479,-46.145
FB1: C52.1 R85.2 R87.1 U3.5 | length 6.6
  Top Layer w0.254: C52.1@7.93,-44.077 R85.2@9.267,-44.077 ; U3.5@8.479,-48.845 8.479,-48.62 9.639,-47.461 9.749,-47.461 10.003,-47.207 R87.1@10.003,-47.138 10.003,-47.069 9.408,-46.474 R85.2@9.408,-44.538
FB2: R5.2 R61.2 U1.3 | length 16.7
  Top Layer w0.3: R5.2@44.497,-32.263 46.236,-32.263 ; v1(46.003,-34.538) 46.003,-34.484 46.236,-34.25 46.236,-32.263 ; R61.2@46.236,-30.882 46.236,-32.263
  Top Layer w0.5: U1.3@37.141,-34.659 37.079,-34.721 37.041,-34.721 37.041,-35.843 v1(37.633,-36.435)
  Bottom Layer w0.3: v1(37.633,-36.435) 37.649,-36.418 44.122,-36.418 v1(46.003,-34.538)
GND: C5.1 C6.1 C7.1 C8.1 C9.1 C10.1 C13.2 C14.1 C15.1 C16.1 C17.1 C18.2 C19.1 C20.1 C21.1 C22.1 C23.1 C24.1 C25.1 C26.1 C27.1 C28.1 C29.1 C30.1 C31.1 C32.1 C33.1 C34.1 C35.1 C36.1 C37.1 C38.1 C39.1 C40.1 C41.1 C51.1 C53.2 C54.1 D6.K D7.K D8.K DC6.1 DC7.1 DC8.1 DC9.2 DC10.2 J5.0 J5.5 J5.13 J5.16 J5.37 J5.38 J5.39 J5.40 KEY1.1 KEY1.2 KEY2.3 KEY2.4 KEY3.1 KEY3.2 KEY4.3 KEY4.4 NTC1.1 P1.2 P1.3 P1.4 P2.3 P2.4 P3.4 P4.2 P5.2 pad.1@0,0 pad.1@0,-70.464 pad.1@55,0 Q2.2 Q3.2 Q4.1 Q4.4 Q5.1 Q5.4 Q10.2 R4.2 R6.1 R9.1 R23.1 R51.1 R52.1 R55.1 R56.1 R59.1 R87.2 R89.1 SW1.1 SW1.3 U2.4 U3.2 U4.3 U4.9 U6.8 U7.10 U7.19 U7.20 U7.27 U7.49 U7.74 U7.99 U8.4 U9.2 U10.4 Y1.2 Y1.4 | length 137.1
  Top Layer w0.254: C32.1@7.709,-21.616 7.709,-21.54 v1(7.983,-21.266) ; C31.1@9.274,-21.678 9.528,-21.424 9.528,-21.139 9.64,-21.027 v1(9.64,-20.96) ; v1(10.104,-7.237) 10.683,-7.237 Q5.1@10.724,-7.196 ; v1(10.477,-23.93) 10.477,-23.075 C30.1@10.491,-23.061 ; C29.1@12.451,-23.046 12.492,-23.087 v1(12.492,-23.897) ; C6.1@13.678,-21.629 v1(13.678,-20.894) ; v1(14.936,-24.306) 14.945,-24.306 15.387,-23.865 15.566,-23.865 16.283,-23.148 C24.1@16.283,-23.079 ; Y1.4@17.597,-22.988 18.624,-21.961 18.797,-21.788 Y1.2@18.797,-21.588 ; v1(20.46,-57.902) 20.476,-57.902 20.738,-58.164 C20.1@21.5,-58.164 ; v1(21.481,-7.346) 22.041,-7.346 Q4.1@22.086,-7.391 ; R23.1@29.898,-30.51 30.145,-30.262 30.512,-30.262 33.01,-27.764 33.01,-24.477 31.044,-22.51 30.544,-22.51 v1(30.497,-22.463) ; v1(48.503,-50.838) 48.503,-47.498 49.583,-46.418
  Top Layer w0.3: 19.689,-72.5 23.5,-72.5 24.766,-71.234 24.766,-70.904 24.777,-70.892 v1(24.777,-68.217) ; v1@20,-69.464 20.049,-69.512 C21.1@21.26,-69.512 ; 20,-51 21,-51 24.909,-54.909 26.91,-54.909 27.095,-55.094 U10.4@27.095,-55.4 ; C20.1@21.5,-58.164 21.5,-59 v1(23.5,-61)
  Top Layer w0.5: C39.1@1.671,-6.163 1.802,-6.294 1.802,-6.873 v1(1.982,-7.053) ; C54.1@2.949,-39.096 2.969,-39.075 2.969,-35.698 C5.1@2.99,-35.677 ; C25.1@22.296,-21.65 22.427,-21.519 22.427,-20.943 v1(22.462,-20.908) ; Q3.2@34.947,-22.113 34.947,-22.066 34.997,-22.016 v1(35.689,-22.016) ; v1(44.477,-37.451) 44.477,-36.709 R6.1@44.541,-36.645
  Top Layer w0.508: C10.1@10.108,-59.02 11.809,-59.02 ; C10.1@10.15,-59.143 10.092,-59.201 10.092,-59.728 v2(10.51,-60.145) ; U4.9@10.85,-62.819 10.874,-62.795 v2(10.874,-61.5) 10.266,-60.892 10.266,-60.39 v2(10.51,-60.145) ; 11.587,-60.877 10.856,-60.145 v2(10.51,-60.145)
  Bottom Layer w0.254: J5.37@35.253,-25.535 35.253,-22.417 35.654,-22.016 v1(35.689,-22.016) ; J5.38@35.753,-25.535 v1@35.753,-22.003 ; v1@35.764,-21.992 35.764,-22.024 35.878,-22.139 35.911,-22.139 36.253,-22.481 ; J5.39@36.253,-25.535 36.253,-22.363 36.753,-22.863 J5.40@36.753,-25.535
  Bottom Layer w0.3: 19.5,-79.5 19.859,-79.859 KEY4.4@24.585,-79.859 ; v1(23.5,-61) 23.5,-61.054 23.718,-61.272 23.718,-61.801 24.068,-62.151 KEY3.1@30.384,-62.151 ; KEY4.4@24.603,-79.838 KEY4.3@30.404,-79.838 ; v1(24.777,-68.217) 25.981,-68.217 D6.K@25.997,-68.233 26.055,-68.175 D8.K@29.332,-68.175
  Bottom Layer w1: 17.5,-82.464 17.5,-84.464 18.5,-85.464 v1(44,-85.464) v1(45.5,-85.464) 46.269,-84.695 46.269,-84.622 49.214,-81.677 KEY2.4@49.214,-80.758
  other v1: 43.5,-79.964 43.5,-75.464 10.868,-75.392 14.003,-75.338 18.503,-74.838 20.253,-73.753 3.237,-72.223 7.805,-72.161 15.997,-71.963 14.503,-71.038 7.421,-70.762 17.5,-70.011 20.235,-69.526 52,-68.013 -1.498,-67.964 1.503,-67.338 17.003,-66.384 -0.503,-64.963 16.003,-64.838 48.732,-64.696 52,-63.017 44,-62.464 1.849,-60.45 50,-60.464 14.497,-59.963 46.503,-59.538 43.005,-58.038 11.786,-58.029 14.497,-57.963 1.468,-57.148 52,-56.464 13.887,-56.407 13.212,-55.293 44.5,-54.964 6.493,-54.622 41.352,-53.839 19.993,-53.748 45.87,-53.171 2.593,-52.981 55.503,-52.538 41.36,-51.567 3.244,-51.183 6.052,-50.884 36.291,-50.799 33.048,-50.581 -1.503,-50.463 46.003,-50.338 30.503,-49.926 10.046,-49.795 11.228,-49.272 23,-48.964 26.606,-48.926 53.503,-48.838 42.381,-47.716 29.524,-47.358 6.614,-45.075 48.003,-44.838 0.607,-44.82 44.503,-44.541 3.874,-44.338 50.503,-44.338 5.34,-42.463 41.503,-42.338 10.11,-41.13 26.516,-40.459 9.54,-40.374 11.675,-39.437 16.503,-39.338 20.003,-39.338 22.503,-39.338 4.67,-39.105 6.614,-38.783 23.003,-37.838 35.503,-37.838 4.661,-37.559 45.474,-37.32 11.639,-36.538 33.997,-36.463 3.68,-36.171 48.783,-35.468 22.879,-35.229 12.003,-34.338 17.741,-32.536 12.197,-32.432 22.7,-31.787 51.087,-31.586 3.272,-31.282 4.497,-30.963 56.28,-30.959 5.997,-28.463 22.789,-28.223 11.715,-28.048 21.213,-28.033 13.777,-27.994 47.497,-27.963 18.493,-27.954 24.338,-26.707 9.223,-26.113 5.497,-25.963 50.997,-25.963 55.793,-25.871 47.605,-22.917 19.629,-21.207 27.817,-19.807 3.62,-19.613 56.497,-19.463 19.239,-19.444 50.997,-18.963 47.825,-18.432 24.003,-17.338 22.359,-17.14 30.997,-15.963 11.23,-15.945 15.813,-15.766 7.768,-15.116 6.837,-14.874 49.348,-14.743 56.366,-14.514 21.403,-14.402 16.875,-14.385 49.003,-13.338 16.003,-13.225 19.937,-12.663 32.07,-12.328 48.506,-12.306 18.477,-11.009 25.503,-10.838 11.183,-10.097 56.418,-10.01 47.259,-9.319 15.723,-9.113 20.003,-8.838 32.133,-8.123 13.223,-7.113 47.244,-6.476 25.003,-6.338 51.872,-5.957 5.71,-5.907 55.997,-5.463 12.714,-5.188 53.497,-4.963 20.642,-4.908 9.67,-4.325 45.766,-3.961 24.723,-3.613 12.541,-3.264 32.497,-2.963 44.497,-2.463 5.91,-1.588 46.069,0.802 52.623,0.873 24.228,1.442 52.592,2.268 -2.003,2.537 43.503,2.962 46.733,2.975 50.872,3.543 37.003,4.962 35.74,6.755 55.072,7.631 43.016,8.375
  other v2: 12.097,-65.322 10.665,-65.222 12.003,-61.538 11.733,-60.215
  other v3: 10.915,-63.849 11.915,-63.849 10.915,-62.849 11.915,-62.849
  other v4: -1.485,-45.984
GND2: C1.2 C11.1 C12.1 C47.2 C48.1 DC1.1 DC4.1 DC5.1 P6.4 U2.2 U5.3 U10.5 | length 25.9
  Top Layer w0.5: P6.4@21.483,-83.171 21.483,-82.848 22.638,-81.693 22.962,-81.693 24,-80.654 DC5.1@24,-79.5 ; P6.4@22.5,-82.746 22.5,-81.693 22.037,-81.23 22.037,-81.091 22.5,-80.628 22.5,-74.093 22.793,-73.8 24.669,-73.8 24.948,-74.079 C11.1@24.948,-74.252 ; 41,-77.5 45,-77.5 47.155,-79.655 48.979,-79.655 U2.2@49.129,-79.804
  other v1: 37.5,-82.5 36,-82 23,-77.964 35.674,-74.39 23.072,-74.228 35,-72 33.277,-66.054 35.046,-63.788 25.791,-63.393 39.731,-62.921 33.5,-61.5 22.5,-61.464 39.98,-58.084 35,-57.5 25,-55.964 25.159,-54.306
GND3: C2.2 C3.1 C4.1 C46.1 R5.1 R6.2 U1.2 | length 54.1
  Top Layer w0.508: U1.2@37.004,-33.721 38.413,-33.721 39.59,-33.721 39.625,-33.687 v1(39.852,-33.687) 39.887,-33.721 41.187,-33.721 41.541,-34.076 C2.2@41.541,-34.145 v1(41.541,-34.861) ; C4.1@42.003,-30.238 42.049,-30.284 42.049,-31.084 43.233,-32.268 v1(43.233,-32.97) 43.233,-33.268 43.652,-33.686 R5.1@44.518,-33.686 ; R6.2@44.541,-35.245 R5.1@44.541,-33.879
  Top Layer w1: C3.1@41.503,0.667 41.44,0.604 41.44,-2.497 v1(41.653,-2.71) C46.1@41.653,-6.038
  Bottom Layer w1: v1(41.541,-34.861) 41.541,-34.662 v1(43.233,-32.97) 45.503,-30.701 45.503,-6.56 v1(41.653,-2.71)
  other v1: 40.789,-33.727 42.112,-31.068 41.718,-7.498 41.675,-4.148
  other v2: 35.271,-34.788 38.413,-34.786 34.262,-34.636 35.292,-33.748 38.413,-33.698 34.171,-33.639 35.31,-32.671 34.342,-32.55 38.367,-32.546
KEY_1: C21.2 KEY4.1 KEY4.2 R21.1 U7.52 | length 49.5
  Top Layer w0.254: U7.52@11.532,-41.092 11.532,-45.194 13.74,-47.402 13.74,-52.887 19.48,-58.627 19.48,-67.041 20.253,-67.815 20.282,-67.815 20.431,-67.964 C21.2@21.26,-67.964 ; R21.1@21.257,-66.026 21.26,-66.028 C21.2@21.26,-67.964 ; v1(22.292,-71.897) 22.292,-69.145 C21.2@21.26,-68.112 C21.2@21.26,-67.964
  Bottom Layer w0.254: v1(22.292,-71.897) 22.307,-71.912 22.307,-74.527 23.779,-76 KEY4.2@30.811,-76
KEY_2: C16.2 KEY2.1 KEY2.2 R17.1 U7.53 | length 77.2
  Top Layer w0.254: U7.53@12.044,-41.113 12.044,-41.31 12.02,-41.334 12.002,-41.334 12.002,-42.047 12.001,-42.047 12.001,-45.016 14.198,-47.213 14.198,-52.698 20.361,-58.862 v1(20.361,-67.102) ; v1(44.664,-67.35) 44.617,-67.303 44.617,-66.493 47.048,-64.062 47.048,-63.963 47.253,-63.758 47.253,-63.62 47.556,-63.317 47.691,-63.317 48.471,-62.538 48.572,-62.538 48.826,-62.284 C16.2@48.826,-62.215
  Bottom Layer w0.254: v1(20.361,-67.102) 23.237,-69.978 31.522,-69.978 34.194,-67.306 44.62,-67.306 v1(44.664,-67.35) 45.166,-67.852 45.166,-73.312 45.181,-73.328 45.181,-74.958 KEY2.1@45.181,-81.191
KEY_3: C20.2 KEY3.3 KEY3.4 R20.1 U7.54 | length 31.1
  Top Layer w0.254: U7.54@12.544,-41.092 12.537,-41.099 12.537,-41.875 12.544,-41.882 12.544,-43.146 12.458,-43.231 12.458,-44.793 14.655,-46.99 14.655,-52.49 17.331,-55.166 R20.1@21.418,-55.166 ; C20.2@21.494,-56.758 R20.1@21.494,-55.169 ; C20.2@21.565,-56.898 21.754,-57.087 22.127,-57.087 22.339,-57.299 v1(22.406,-57.299)
  Bottom Layer w0.254: v1(22.406,-57.299) 23.153,-57.299 23.631,-57.778 24.06,-57.778 KEY3.3@24.503,-58.22 ; KEY3.3@24.503,-57.95 KEY3.4@30.355,-57.95
KEY_4: C15.2 KEY1.3 KEY1.4 R16.1 U7.51 | length 50.9
  Top Layer w0.254: U7.51@11.044,-41.113 11.044,-41.847 10.993,-41.898 10.993,-45.301 13.283,-47.591 13.283,-53.077 19.022,-58.816 19.022,-72.469 R16.1@17.179,-74.312 ; v1(14.653,-74.352) C15.2@15.489,-74.352 ; C15.2@15.501,-74.341 17.139,-74.341 R16.1@17.179,-74.381
  Bottom Layer w0.254: KEY1.4@9.808,-80.771 KEY1.3@9.808,-74.971 9.808,-74.725 10.181,-74.352 v1(14.653,-74.352)
LCD_VCC: C18.1 DC8.2 J5.6 J5.7 R19.1 | length 16.5
  Top Layer w0.254: v1(20.252,-18.595) 20.71,-18.138 C18.1@21.503,-18.138 21.703,-18.338 23.003,-18.338 23.585,-18.92 23.585,-19.838 ; R19.1@23.585,-21.719 23.585,-19.838 ; DC8.2@24.535,-19.81 23.613,-19.81 23.585,-19.838
  Bottom Layer w0.254: J5.6@19.753,-25.535 19.753,-24.088 19.897,-23.944 20.203,-23.944 ; J5.7@20.252,-25.534 v1@20.252,-18.596
LED-: J5.34 J5.35 J5.36 R31.2 | length 13
  Top Layer w0.5: R31.2@32.107,-17.963 32.341,-18.197 32.341,-19.448 v1(32.613,-19.72)
  Bottom Layer w0.254: J5.34@33.753,-25.535 33.753,-24.052 33.902,-23.903 34.253,-23.903 ; J5.35@34.253,-25.535 34.253,-23.903 ; 34.753,-23.935 34.721,-23.903 34.253,-23.903 ; J5.36@34.767,-25.521 34.767,-23.903 34.767,-21.562
  Bottom Layer w0.3: v1(32.613,-19.72) 33.553,-20.66 33.865,-20.66 34.767,-21.562
LED_EN: R32.2 U7.89 | length 21
  Top Layer w0.254: U7.89@24.582,-33.042 26.397,-33.042 27.303,-32.135 29.8,-32.135 30.503,-32.838 32.003,-32.838 33.468,-31.373 33.468,-23.934 31.497,-21.963 R32.2@31.497,-21.344
LX: L2.1 U3.3 | length 4.6
  Top Layer w0.8: L2.1@3.823,-42.759 5.518,-44.454 5.518,-45.186 6.352,-46.02 6.479,-46.02 6.579,-46.12 U3.3@6.579,-46.145
NetC2_1: C2.1 FB1.2 L1.1 R2.1 U1.5 | length 11
  Top Layer w0.254: R2.1@40.698,-36.344 40.698,-36.369 40.952,-36.623 R2.1@41.021,-36.623 41.09,-36.623 42.224,-35.49 42.707,-35.49 FB1.2@42.983,-35.214
  Top Layer w0.3: C2.1@41.541,-32.745 41.541,-32.814 42.716,-33.989 42.716,-34.961 42.97,-35.214 FB1.2@42.983,-35.214
  Top Layer w0.508: L1.1@39.821,-29.441 39.821,-32.613 39.995,-32.613 40.127,-32.745 C2.1@41.541,-32.745
NetC4_2: C4.2 C44.1 D1.2 D12.1 | length 13.7
  Top Layer w0.8: C4.2@42.003,-28.548 42.003,-27.306 42.938,-26.371 42.938,-25.971 D1.2@43.313,-25.596
  Top Layer w1: D1.2@43.713,-25.596 43.313,-25.596 41.569,-23.852 D12.1@41.569,-19.81 41.844,-19.535 43.66,-19.535 44.342,-18.853 C44.1@44.497,-18.853
NetC7_2: C7.2 FB1.1 Q1.3 R86.2 U3.4 | length 49.4
  Top Layer w0.254: R86.2@4.337,-46.981 4.613,-47.257 5.216,-47.257 6.479,-48.52 U3.4@6.479,-48.745
  Top Layer w0.5: v1(42.763,-37.698) 42.801,-37.66 42.801,-36.874 42.954,-36.72 FB1.1@42.983,-36.72
  Top Layer w0.8: U3.4@6.679,-48.92 6.679,-49.333 8.217,-50.871 C7.2@8.238,-50.871 ; Q1.3@8.219,-52.57 8.219,-50.89 C7.2@8.238,-50.871 ; C7.2@8.248,-50.871 C7.2@8.238,-50.871 ; Q1.3@8.294,-52.395 10.445,-52.395 11.292,-51.548 v1(11.292,-50.88)
  Bottom Layer w0.5: v1(11.292,-50.88) 11.519,-50.653 27.223,-50.653 37.497,-40.38 40.081,-40.38 v1(42.763,-37.698)
NetC11_2: C11.2 U5.8 | length 2.2
  Top Layer w0.254: C11.2@25,-72.8 26.124,-72.8 26.595,-72.329 U5.8@26.595,-71.9
NetC17_2: C17.2 FB4.1 P2.2 | length 4.2
  Top Layer w0.5: C17.2@48.478,2.064 48.478,3.689 48.502,3.713 P2.2@48.502,4.263 ; C17.2@48.502,1.851 48.502,0.063 FB4.1@48.628,-0.062
NetC19_2: C19.2 FB5.1 P2.1 | length 6.7
  Top Layer w0.5: P2.1@49.752,4.263 49.752,2.706 50.279,2.18 FB5.1@50.279,-0.08 50.229,-0.03 50.229,1.966 C19.2@50.18,2.016
NetC29_2: C29.2 Q8.2 R53.2 R55.2 U7.23 | length 29
  Top Layer w0.254: U7.23@12.032,-25.992 12.032,-24.421 11.723,-24.113 11.723,-22.047 12.124,-21.646 C29.2@12.44,-21.646 ; v1(12.44,-20.904) C29.2@12.44,-21.646 ; C29.2@12.451,-21.715 12.44,-21.704 C29.2@12.44,-21.646 ; C29.2@12.451,-21.646 C29.2@12.44,-21.646
  Top Layer w0.5: Q8.2@16.673,-3.263 16.687,-3.276 16.687,-4.126 16.687,-5.049 R53.2@16.701,-5.063 ; Q8.2@16.677,-3.072 16.677,-3.272 16.727,-3.322 16.97,-3.322 17.019,-3.371 17.893,-3.371 18.223,-3.701 R55.2@18.223,-3.839
  Bottom Layer w0.254: v1(12.44,-20.904) 12.44,-6.944 13.622,-5.761 14.075,-5.761 15.709,-4.126 v1(16.673,-4.126)